# KiCad board mtr_led_system_map.kicad_pcb (continued)
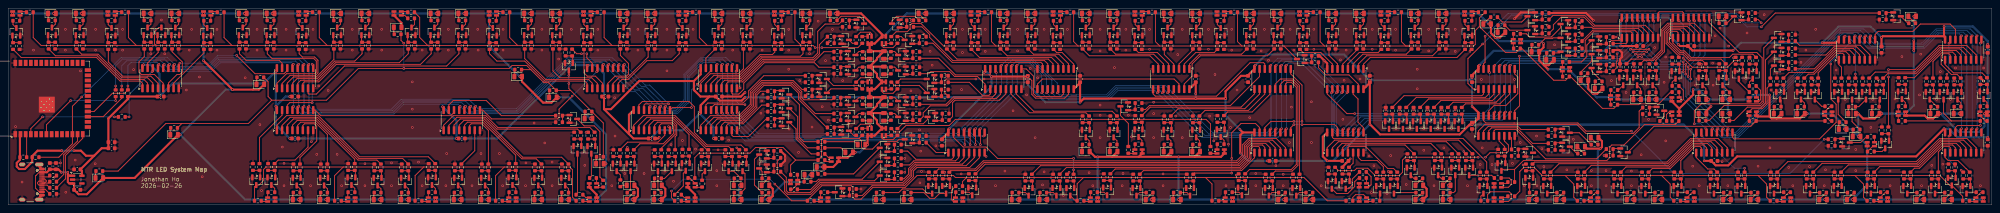
[diagram p0: board, top side]
## Placement (name value [footprint] x y rotation side) (continued)
R566  10k  [R_0603_1608Metric]  307.7 6.7 90 top
R567  100R  [R_0603_1608Metric]  302.7 6.8 270 top
R568  10k  [R_0603_1608Metric]  301.1 6.8 90 top
R569  100R  [R_0603_1608Metric]  291.5 21 270 top
R570  10k  [R_0603_1608Metric]  289.9 21 90 top
R571  100R  [R_0603_1608Metric]  297.5 21.1 270 top
R572  10k  [R_0603_1608Metric]  295.9 21.1 90 top
R573  100R  [R_0603_1608Metric]  316 6.7 270 top
R574  10k  [R_0603_1608Metric]  314.4 6.7 90 top
R575  100R  [R_0603_1608Metric]  284.5 21 270 top
R576  10k  [R_0603_1608Metric]  282.9 21 90 top
R577  100R  [R_0603_1608Metric]  277.4 21.1 270 top
R578  10k  [R_0603_1608Metric]  275.8 21.1 90 top
R579  100R  [R_0603_1608Metric]  276.6 23.4 180 top
R580  10k  [R_0603_1608Metric]  276.6 25 0 top
R581  100R  [R_0603_1608Metric]  455.4 30.3 270 top
R582  10k  [R_0603_1608Metric]  453.8 30.3 90 top
R583  100R  [R_0603_1608Metric]  460.1 18.3 270 top
R584  10k  [R_0603_1608Metric]  458.5 18.3 90 top
R585  100R  [R_0603_1608Metric]  471 30.3 270 top
R586  10k  [R_0603_1608Metric]  469.4 30.3 90 top
R587  100R  [R_0603_1608Metric]  464.2 30.4 270 top
R588  10k  [R_0603_1608Metric]  462.6 30.4 90 top
R589  100R  [R_0603_1608Metric]  458.8 30.3 270 top
R590  10k  [R_0603_1608Metric]  457.2 30.3 90 top
R591  100R  [R_0603_1608Metric]  477.8 30.3 270 top
R592  10k  [R_0603_1608Metric]  476.2 30.3 90 top
R593  100R  [R_0603_1608Metric]  484.2 30.4 270 top
R594  10k  [R_0603_1608Metric]  482.6 30.4 90 top
R595  100R  [R_0603_1608Metric]  474.4 30.3 270 top
R596  10k  [R_0603_1608Metric]  472.8 30.3 90 top
R597  100R  [R_0603_1608Metric]  436.5 36.8 180 top
R598  10k  [R_0603_1608Metric]  436.5 38.4 0 top
R599  100R  [R_0603_1608Metric]  436.5 40.2 180 top
R600  10k  [R_0603_1608Metric]  436.5 41.8 0 top
R601  100R  [R_0603_1608Metric]  439.5 30.3 270 top
R602  10k  [R_0603_1608Metric]  437.9 30.3 90 top
R603  100R  [R_0603_1608Metric]  434.4 30.3 270 top
R604  10k  [R_0603_1608Metric]  432.8 30.3 90 top
R605  100R  [R_0603_1608Metric]  436.5 33.4 180 top
R606  10k  [R_0603_1608Metric]  436.5 35 0 top
R607  100R  [R_0603_1608Metric]  442.9 30.3 270 top
R608  10k  [R_0603_1608Metric]  441.3 30.3 90 top
R609  100R  [R_0603_1608Metric]  448.6 30.3 270 top
R610  10k  [R_0603_1608Metric]  447 30.3 90 top
R611  100R  [R_0603_1608Metric]  452 30.3 270 top
R612  10k  [R_0603_1608Metric]  450.4 30.3 90 top
R613  100R  [R_0603_1608Metric]  324.7 8.4 270 top
R614  10k  [R_0603_1608Metric]  323.1 8.4 90 top
R615  100R  [R_0603_1608Metric]  368.7 13.6 0 top
R616  10k  [R_0603_1608Metric]  368.7 12 180 top
R617  100R  [R_0603_1608Metric]  377.7 15.1 0 top
R618  10k  [R_0603_1608Metric]  377.7 13.5 180 top
R619  100R  [R_0603_1608Metric]  391.9 13.7 0 top
R620  10k  [R_0603_1608Metric]  391.9 12.1 180 top
R621  100R  [R_0603_1608Metric]  366.2 12.8 270 top
R622  10k  [R_0603_1608Metric]  364.6 12.8 90 top
R623  100R  [R_0603_1608Metric]  377.7 18.5 0 top
R624  10k  [R_0603_1608Metric]  377.7 16.9 180 top
R625  100R  [R_0603_1608Metric]  400.8 23.9 0 top
R626  10k  [R_0603_1608Metric]  400.8 22.3 180 top
R627  100R  [R_0603_1608Metric]  446.2 16.1 0 top
R628  10k  [R_0603_1608Metric]  446.2 14.5 180 top
U1  -  [ESP32-S3-WROOM-1]  7 26.1 90 top
U2  AP2112K-3.3  [SOT-23-5]  16.9 6.2 0 top
U3  74HC595  [SOIC-16_3.9x9.9mm_P1.27mm]  37.3 31.1 90 top
U4  74HC595  [SOIC-16_3.9x9.9mm_P1.27mm]  70.2 31.1 90 top
U5  74HC595  [SOIC-16_3.9x9.9mm_P1.27mm]  146.1 31.1 90 top
U6  74HC595  [SOIC-16_3.9x9.9mm_P1.27mm]  173.9 31.1 90 top
U7  74HC595  [SOIC-16_3.9x9.9mm_P1.27mm]  173.9 20.8 90 top
U8  74HC595  [SOIC-16_3.9x9.9mm_P1.27mm]  157.5 20.8 90 top
U9  74HC595  [SOIC-16_3.9x9.9mm_P1.27mm]  111 20.8 90 top
U10  74HC595  [SOIC-16_3.9x9.9mm_P1.27mm]  70.2 20.8 90 top
U11  74HC595  [SOIC-16_3.9x9.9mm_P1.27mm]  478.4 15.3 90 top
U12  74HC595  [SOIC-16_3.9x9.9mm_P1.27mm]  364.2 30.9 90 top
U13  74HC595  [SOIC-16_3.9x9.9mm_P1.27mm]  417.5 15.3 90 top
U14  74HC595  [SOIC-16_3.9x9.9mm_P1.27mm]  327.2 15.3 90 top
U15  74HC595  [SOIC-16_3.9x9.9mm_P1.27mm]  309.4 15.3 90 top
U16  74HC595  [SOIC-16_3.9x9.9mm_P1.27mm]  234.5 15.3 90 top
U17  74HC595  [SOIC-16_3.9x9.9mm_P1.27mm]  411.8 43.5 90 top
U18  74HC595  [SOIC-16_3.9x9.9mm_P1.27mm]  399.3 43.5 90 top
U19  74HC595  [SOIC-16_3.9x9.9mm_P1.27mm]  327.2 30.9 270 top
U20  74HC595  [SOIC-16_3.9x9.9mm_P1.27mm]  284.6 30.9 270 top
U21  74HC595  [SOIC-16_3.9x9.9mm_P1.27mm]  256.3 30.9 270 top
U22  74HC595  [SOIC-16_3.9x9.9mm_P1.27mm]  243.5 30.9 90 top
U23  74HC595  [SOIC-16_3.9x9.9mm_P1.27mm]  309.4 30.9 90 top
U24  74HC595  [SOIC-16_3.9x9.9mm_P1.27mm]  478.4 38.1 90 top
U25  74HC595  [SOIC-16_3.9x9.9mm_P1.27mm]  452.4 38.1 90 top
U26  74HC595  [SOIC-16_3.9x9.9mm_P1.27mm]  364.2 19.4 90 top

## Library data of the parts
C1-C30 = -: Description: Unpolarized capacitor; ki_fp_filters: C_*
D_DOOR_G1 D_DOOR_Y1 D_ISL_ADM_CEN1 D_ISL_ADM_WAC1 D_ISL_CAB_TIH1 D_ISL_CAB_WAC1 D_ISL_CEN_ADM1 D_ISL_CEN_SHW1 D_ISL_CHW_HFC1 D_ISL_FOH_NOP1 D_ISL_FOH_TIH1 D_ISL_HFC_CHW1 D_ISL_HFC_SKW1 D_ISL_HKU_KET1 D_ISL_HKU_SYP1 D_ISL_KET_HKU1 D_ISL_NOP_FOH1 D_ISL_NOP_QUB1 D_ISL_QUB_NOP1 D_ISL_QUB_TAK1 D_ISL_SHW_CEN1 D_ISL_SHW_SYP1 D_ISL_SKW_HFC1 D_ISL_SKW_SWH1 D_ISL_SWH_SKW1 D_ISL_SWH_TAK1 D_ISL_SYP_HKU1 D_ISL_SYP_SHW1 D_ISL_TAK_QUB1 D_ISL_TAK_SWH1 D_ISL_TIH_CAB1 D_ISL_TIH_FOH1 D_ISL_WAC_ADM1 D_ISL_WAC_CAB1 D_KTL_CHH_DIH1 D_KTL_CHH_KOB1 D_KTL_DIH_CHH1 D_KTL_DIH_WTS1 D_KTL_HOM_WHA1 D_KTL_HOM_YMT1 D_KTL_KOB_CHH1 D_KTL_KOB_NTK1 D_KTL_KOT_LOF1 D_KTL_KOT_SKM1 D_KTL_KWT_LAT1 D_KTL_KWT_NTK1 D_KTL_LAT_KWT1 D_KTL_LAT_YAT1 D_KTL_LOF_KOT1 D_KTL_LOF_WTS1 D_KTL_MOK_PRE1 D_KTL_MOK_YMT1 D_KTL_NTK_KOB1 D_KTL_NTK_KWT1 D_KTL_PRE_MOK1 D_KTL_PRE_SKM1 D_KTL_SKM_KOT1 D_KTL_SKM_PRE1 D_KTL_TIK_YAT1 D_KTL_WHA_HOM1 D_KTL_WTS_DIH1 D_KTL_WTS_LOF1 D_KTL_YAT_LAT1 D_KTL_YAT_TIK1 D_KTL_YMT_HOM1 D_KTL_YMT_MOK1 D_TCL_HOK1 D_TCL_KOW1 D_TCL_LAK1 D_TCL_NAC1 D_TCL_OLY1 D_TCL_SUN1 D_TCL_TSY1 D_TCL_TUC1 D_TKL_HAH_POA1 D_TKL_HAH_TKO1 D_TKL_LHP_TKO1 D_TKL_NOP_QUB1 D_TKL_POA_HAH1 D_TKL_QUB_NOP1 D_TKL_QUB_YAT1 D_TKL_TIK_TKO1 D_TKL_TIK_YAT1 D_TKL_TKO_HAH1 D_TKL_TKO_LHP1 D_TKL_TKO_TIK1 D_TKL_YAT_QUB1 D_TKL_YAT_TIK1 D_TWL_ADM_CEN1 D_TWL_ADM_TST1 D_TWL_CEN_ADM1 D_TWL_CSW_LCK1 D_TWL_CSW_SSP1 D_TWL_JOR_TST1 D_TWL_JOR_YMT1 D_TWL_KWF_KWH1 D_TWL_KWF_LAK1 D_TWL_KWH_KWF1 D_TWL_KWH_TWH1 D_TWL_LAK_KWF1 D_TWL_LAK_MEF1 D_TWL_LCK_CSW1 D_TWL_LCK_MEF1 D_TWL_MEF_LAK1 D_TWL_MEF_LCK1 D_TWL_MOK_PRE1 D_TWL_MOK_YMT1 D_TWL_PRE_MOK1 D_TWL_PRE_SSP1 D_TWL_SSP_CSW1 D_TWL_SSP_PRE1 D_TWL_TST_ADM1 D_TWL_TST_JOR1 D_TWL_TSW_TWH1 D_TWL_TWH_KWH1 D_TWL_TWH_TSW1 D_TWL_YMT_JOR1 D_TWL_YMT_MOK1 = -: Description: Light emitting diode; Sim.Pins: 1=K 2=A; ki_fp_filters: LED* LED_SMD:* LED_THT:*
D_ISL_ADM1 D_ISL_CEN1 D_ISL_CHW1 D_ISL_CWB1 D_ISL_FOH1 D_ISL_HFC1 D_ISL_HKU1 D_ISL_KET1 D_ISL_NOP1 D_ISL_QUB1 D_ISL_SHW1 D_ISL_SKW1 D_ISL_SWH1 D_ISL_SYP1 D_ISL_TAK1 D_ISL_TIH1 D_ISL_WAC1 D_KTL_CHH1 D_KTL_DIH1 D_KTL_HOM1 D_KTL_KOB1 D_KTL_KOT1 D_KTL_KWT1 D_KTL_LAT1 D_KTL_LOF1 D_KTL_MOK1 D_KTL_NTK1 D_KTL_PRE1 D_KTL_SKM1 D_KTL_TIK1 D_KTL_WHA1 D_KTL_WTS1 D_KTL_YAT1 D_KTL_YMT1 D_TKL_HAH1 D_TKL_LHP1 D_TKL_NOP1 D_TKL_POA1 D_TKL_QUB1 D_TKL_TIK1 D_TKL_TKO1 D_TKL_YAT1 D_TWL_ADM1 D_TWL_CEN1 D_TWL_CSW1 D_TWL_JOR1 D_TWL_KWF1 D_TWL_KWH1 D_TWL_LAK1 D_TWL_LCK1 D_TWL_MEF1 D_TWL_MOK1 D_TWL_PRE1 D_TWL_SSP1 D_TWL_TST1 D_TWL_TSW1 D_TWL_TWH1 D_TWL_YMT1 = -: Description: Dual LED, cathodes on pins 2 and 3; ki_fp_filters: LED* LED_SMD:* LED_THT:*
J1 = -: Datasheet: https://www.usb.org/sites/default/files/documents/usb_type-c.zip; Description: USB 2.0-only 16P Type-C Receptacle connector; ki_fp_filters: USB*C*Receptacle*
Q1-Q192 = -: Datasheet: http://www.aosmd.com/pdfs/datasheet/AO3400A.pdf; Description: 30V Vds, 5.7A Id, N-Channel MOSFET, SOT-23; ki_fp_filters: SOT?23*
R1-R628 = -: Description: Resistor; ki_fp_filters: R_*
U1 = -: Datasheet: https://www.espressif.com/sites/default/files/documentation/esp32-s3-wroom-1_wroom-1u_datasheet_en.pdf; Description: RF Module, ESP32-S3 SoC, Wi-Fi 802.11b/g/n, Bluetooth, BLE, 32-bit, 3.3V, onboard antenna, SMD; ki_fp_filters: ESP32?S3?WROOM?1*
U2 = -: Datasheet: https://www.diodes.com/assets/Datasheets/AP2112.pdf; Description: 600mA low dropout linear regulator, with enable pin, 3.8V-6V input voltage range, 3.3V fixed positive output, SOT-23-5; ki_fp_filters: SOT?23?5*
U3-U26 = -: Datasheet: http://www.ti.com/lit/ds/symlink/sn74hc595.pdf; Description: 8-bit serial in/out Shift Register 3-State Outputs; ki_fp_filters: DIP*W7.62mm* SOIC*3.9x9.9mm*P1.27mm* TSSOP*4.4x5mm*P0.65mm* SOIC*5.3x10.2mm*P1.27mm* SOIC*7.5x10.3mm*P1.27mm*

## Footprints (pads in the part's own frame, mm; a bottom-side part is the same pattern mirrored in y, then rotated)
C_0603_1608Metric
  rrect 0.9x0.95 smd: 1(-0.775,0) 2(0.775,0)
ESP32-S3-WROOM-1
  rect 0.9x0.9 smd: (-2.9,-1.06) (-2.9,-2.46) (-2.9,-3.86) (-1.5,-1.06) (-1.5,-2.46) (-1.5,-3.86) (-0.1,-1.06) (-0.1,-2.46) (-0.1,-3.86)
  rect 1.5x0.9 smd: 1(-8.75,5.26) 2(-8.75,3.99) 3(-8.75,2.72) 4(-8.75,1.45) 5(-8.75,0.18) 6(-8.75,-1.09) 7(-8.75,-2.36) 8(-8.75,-3.63) 9(-8.75,-4.9) 10(-8.75,-6.17) 11(-8.75,-7.44) 12(-8.75,-8.71) 13(-8.75,-9.98) 14(-8.75,-11.25) 27(8.75,-11.25) 28(8.75,-9.98) 29(8.75,-8.71) 30(8.75,-7.44) 31(8.75,-6.17) 32(8.75,-4.9) 33(8.75,-3.63) 34(8.75,-2.36) 35(8.75,-1.09) 36(8.75,0.18) 37(8.75,1.45) 38(8.75,2.72) 39(8.75,3.99) 40(8.75,5.26)
  rect 0.9x1.5 smd: 15(-6.985,-12.5) 16(-5.715,-12.5) 17(-4.445,-12.5) 18(-3.175,-12.5) 19(-1.905,-12.5) 20(-0.635,-12.5) 21(0.635,-12.5) 22(1.905,-12.5) 23(3.175,-12.5) 24(4.445,-12.5) 25(5.715,-12.5) 26(6.985,-12.5)
  round 0.6 hole 0.2: 41(-2.9,-1.76) 41(-2.9,-3.16) 41(-2.2,-1.06) 41(-2.2,-2.46) 41(-2.2,-3.86) 41(-1.5,-1.76) 41(-1.5,-3.16) 41(-0.8,-1.06) 41(-0.8,-2.46) 41(-0.8,-3.86) 41(-0.1,-1.76) 41(-0.1,-3.16)
  rect 3.9x3.9 smd: 41(-1.5,-2.46)
LED_0805_2012Metric
  rrect 0.975x1.4 smd: 1(-0.938,0) 2(0.938,0)
LED_Kingbright_APHBM2012_2x1.25mm
  rect 0.6x1.2 smd: 1(-0.475,0.9) 2(-0.475,-0.9) 3(0.475,-0.9) 4(0.475,0.9)
R_0603_1608Metric
  rrect 0.8x0.95 smd: 1(-0.825,0) 2(0.825,0)
SOIC-16_3.9x9.9mm_P1.27mm
  rrect 1.95x0.6 smd: 1(-2.475,4.445) 2(-2.475,3.175) 3(-2.475,1.905) 4(-2.475,0.635) 5(-2.475,-0.635) 6(-2.475,-1.905) 7(-2.475,-3.175) 8(-2.475,-4.445) 9(2.475,-4.445) 10(2.475,-3.175) 11(2.475,-1.905) 12(2.475,-0.635) 13(2.475,0.635) 14(2.475,1.905) 15(2.475,3.175) 16(2.475,4.445)
SOT-23
  rrect 1.475x0.6 smd: 1(-0.938,0.95) 2(-0.938,-0.95) 3(0.938,0)
SOT-23-5
  rrect 1.325x0.6 smd: 1(-1.137,0.95) 2(-1.137,0) 3(-1.137,-0.95) 4(1.137,-0.95) 5(1.137,0.95)
USB_C_Receptacle_HCTL_HC-TYPE-C-16P-01A
  round 0.65 hole 0.65 unplated: (-2.89,2.605) (2.89,2.605)
  rrect 0.6x1.3 smd: A1(-3.2,3.745) A4(-2.4,3.745) A9(2.4,3.745) A12(3.2,3.745) B1(3.2,3.745) B4(2.4,3.745) B9(-2.4,3.745) B12(-3.2,3.745)
  rrect 0.3x1.3 smd: A5(-1.25,3.745) A6(-0.25,3.745) A7(0.25,3.745) A8(1.25,3.745) B5(1.75,3.745) B6(0.75,3.745) B7(-0.75,3.745) B8(-1.75,3.745)
  oval 1x2.1 hole 0.6x1.7: S1(-4.32,3.105) S1(4.32,3.105)
  oval 1x1.6 hole 0.6x1.2: S1(-4.32,-1.075) S1(4.32,-1.075)

## Nets
+3V3: C3.1 C4.1 C6.1 C7.1 C8.1 C9.1 C10.1 C11.1 C12.1 C13.1 C14.1 C15.1 C16.1 C17.1 C18.1 C19.1 C20.1 C21.1 C22.1 C23.1 C24.1 C25.1 C26.1 C27.1 C28.1 C29.1 C30.1 R219.1 R223.2 R229.2 U1.2 U2.5 U3.16 U4.16 U5.16 U6.16 U7.16 U8.16 U9.16 U10.16 U11.16 U12.16 U13.16 U14.16 U15.16 U16.16 U17.16 U18.16 U19.16 U20.16 U21.16 U22.16 U23.16 U24.16 U25.16 U26.16
+5V: C1.1 C2.1 C5.1 D_DOOR_G1.2 D_DOOR_Y1.2 D_ISL_ADM1.1 D_ISL_ADM1.4 D_ISL_ADM_CEN1.2 D_ISL_ADM_WAC1.2 D_ISL_CAB_TIH1.2 D_ISL_CAB_WAC1.2 D_ISL_CEN1.1 D_ISL_CEN1.4 D_ISL_CEN_ADM1.2 D_ISL_CEN_SHW1.2 D_ISL_CHW1.1 D_ISL_CHW1.4 D_ISL_CHW_HFC1.2 D_ISL_CWB1.1 D_ISL_CWB1.4 D_ISL_FOH1.1 D_ISL_FOH1.4 D_ISL_FOH_NOP1.2 D_ISL_FOH_TIH1.2 D_ISL_HFC1.1 D_ISL_HFC1.4 D_ISL_HFC_CHW1.2 D_ISL_HFC_SKW1.2 D_ISL_HKU1.1 D_ISL_HKU1.4 D_ISL_HKU_KET1.2 D_ISL_HKU_SYP1.2 D_ISL_KET1.1 D_ISL_KET1.4 D_ISL_KET_HKU1.2 D_ISL_NOP1.1 D_ISL_NOP1.4 D_ISL_NOP_FOH1.2 D_ISL_NOP_QUB1.2 D_ISL_QUB1.1 D_ISL_QUB1.4 D_ISL_QUB_NOP1.2 D_ISL_QUB_TAK1.2 D_ISL_SHW1.1 D_ISL_SHW1.4 D_ISL_SHW_CEN1.2 D_ISL_SHW_SYP1.2 D_ISL_SKW1.1 D_ISL_SKW1.4 D_ISL_SKW_HFC1.2 D_ISL_SKW_SWH1.2 D_ISL_SWH1.1 D_ISL_SWH1.4 D_ISL_SWH_SKW1.2 D_ISL_SWH_TAK1.2 D_ISL_SYP1.1 D_ISL_SYP1.4 D_ISL_SYP_HKU1.2 D_ISL_SYP_SHW1.2 D_ISL_TAK1.1 D_ISL_TAK1.4 D_ISL_TAK_QUB1.2 D_ISL_TAK_SWH1.2 D_ISL_TIH1.1 D_ISL_TIH1.4 D_ISL_TIH_CAB1.2 D_ISL_TIH_FOH1.2 D_ISL_WAC1.1 D_ISL_WAC1.4 D_ISL_WAC_ADM1.2 D_ISL_WAC_CAB1.2 D_KTL_CHH1.1 D_KTL_CHH1.4 D_KTL_CHH_DIH1.2 D_KTL_CHH_KOB1.2 D_KTL_DIH1.1 D_KTL_DIH1.4 D_KTL_DIH_CHH1.2 D_KTL_DIH_WTS1.2 D_KTL_HOM1.1 D_KTL_HOM1.4 D_KTL_HOM_WHA1.2 D_KTL_HOM_YMT1.2 D_KTL_KOB1.1 D_KTL_KOB1.4 D_KTL_KOB_CHH1.2 D_KTL_KOB_NTK1.2 D_KTL_KOT1.1 D_KTL_KOT1.4 D_KTL_KOT_LOF1.2 D_KTL_KOT_SKM1.2 D_KTL_KWT1.1 D_KTL_KWT1.4 D_KTL_KWT_LAT1.2 D_KTL_KWT_NTK1.2 D_KTL_LAT1.1 D_KTL_LAT1.4 D_KTL_LAT_KWT1.2 D_KTL_LAT_YAT1.2 D_KTL_LOF1.1 D_KTL_LOF1.4 D_KTL_LOF_KOT1.2 D_KTL_LOF_WTS1.2 D_KTL_MOK1.1 D_KTL_MOK1.4 D_KTL_MOK_PRE1.2 D_KTL_MOK_YMT1.2 D_KTL_NTK1.1 D_KTL_NTK1.4 D_KTL_NTK_KOB1.2 D_KTL_NTK_KWT1.2 D_KTL_PRE1.1 D_KTL_PRE1.4 D_KTL_PRE_MOK1.2 D_KTL_PRE_SKM1.2 D_KTL_SKM1.1 D_KTL_SKM1.4 D_KTL_SKM_KOT1.2 D_KTL_SKM_PRE1.2 D_KTL_TIK1.1 D_KTL_TIK1.4 D_KTL_TIK_YAT1.2 D_KTL_WHA1.1 D_KTL_WHA1.4 D_KTL_WHA_HOM1.2 D_KTL_WTS1.1 D_KTL_WTS1.4 D_KTL_WTS_DIH1.2 D_KTL_WTS_LOF1.2 D_KTL_YAT1.1 D_KTL_YAT1.4 D_KTL_YAT_LAT1.2 D_KTL_YAT_TIK1.2 D_KTL_YMT1.1 D_KTL_YMT1.4 D_KTL_YMT_HOM1.2 D_KTL_YMT_MOK1.2 D_TCL_HOK1.2 D_TCL_KOW1.2 D_TCL_LAK1.2 D_TCL_NAC1.2 D_TCL_OLY1.2 D_TCL_SUN1.2 D_TCL_TSY1.2 D_TCL_TUC1.2 D_TKL_HAH1.1 D_TKL_HAH1.4 D_TKL_HAH_POA1.2 D_TKL_HAH_TKO1.2 D_TKL_LHP1.1 D_TKL_LHP1.4 D_TKL_LHP_TKO1.2 D_TKL_NOP1.1 D_TKL_NOP1.4 D_TKL_NOP_QUB1.2 D_TKL_POA1.1 D_TKL_POA1.4 D_TKL_POA_HAH1.2 D_TKL_QUB1.1 D_TKL_QUB1.4 D_TKL_QUB_NOP1.2 D_TKL_QUB_YAT1.2 D_TKL_TIK1.1 D_TKL_TIK1.4 D_TKL_TIK_TKO1.2 D_TKL_TIK_YAT1.2 D_TKL_TKO1.1 D_TKL_TKO1.4 D_TKL_TKO_HAH1.2 D_TKL_TKO_LHP1.2 D_TKL_TKO_TIK1.2 D_TKL_YAT1.1 D_TKL_YAT1.4 D_TKL_YAT_QUB1.2 D_TKL_YAT_TIK1.2 D_TWL_ADM1.1 D_TWL_ADM1.4 D_TWL_ADM_CEN1.2 D_TWL_ADM_TST1.2 D_TWL_CEN1.1 D_TWL_CEN1.4 D_TWL_CEN_ADM1.2 D_TWL_CSW1.1 D_TWL_CSW1.4 D_TWL_CSW_LCK1.2 D_TWL_CSW_SSP1.2 D_TWL_JOR1.1 D_TWL_JOR1.4 D_TWL_JOR_TST1.2 D_TWL_JOR_YMT1.2 D_TWL_KWF1.1 D_TWL_KWF1.4 D_TWL_KWF_KWH1.2 D_TWL_KWF_LAK1.2 D_TWL_KWH1.1 D_TWL_KWH1.4 D_TWL_KWH_KWF1.2 D_TWL_KWH_TWH1.2 D_TWL_LAK1.1 D_TWL_LAK1.4 D_TWL_LAK_KWF1.2 D_TWL_LAK_MEF1.2 D_TWL_LCK1.1 D_TWL_LCK1.4 D_TWL_LCK_CSW1.2 D_TWL_LCK_MEF1.2 D_TWL_MEF1.1 D_TWL_MEF1.4 D_TWL_MEF_LAK1.2 D_TWL_MEF_LCK1.2 D_TWL_MOK1.1 D_TWL_MOK1.4 D_TWL_MOK_PRE1.2 D_TWL_MOK_YMT1.2 D_TWL_PRE1.1 D_TWL_PRE1.4 D_TWL_PRE_MOK1.2 D_TWL_PRE_SSP1.2 D_TWL_SSP1.1 D_TWL_SSP1.4 D_TWL_SSP_CSW1.2 D_TWL_SSP_PRE1.2 D_TWL_TST1.1 D_TWL_TST1.4 D_TWL_TST_ADM1.2 D_TWL_TST_JOR1.2 D_TWL_TSW1.1 D_TWL_TSW1.4 D_TWL_TSW_TWH1.2 D_TWL_TWH1.1 D_TWL_TWH1.4 D_TWL_TWH_KWH1.2 D_TWL_TWH_TSW1.2 D_TWL_YMT1.1 D_TWL_YMT1.4 D_TWL_YMT_JOR1.2 D_TWL_YMT_MOK1.2 J1.A4 J1.A9 J1.B4 J1.B9 U2.1 U2.3
GND: C1.2 C2.2 C3.2 C4.2 C5.2 C6.2 C7.2 C8.2 C9.2 C10.2 C11.2 C12.2 C13.2 C14.2 C15.2 C16.2 C17.2 C18.2 C19.2 C20.2 C21.2 C22.2 C23.2 C24.2 C25.2 C26.2 C27.2 C28.2 C29.2 C30.2 J1.A1 J1.A12 J1.B1 J1.B12 J1.S1 Q1.2 Q2.2 Q3.2 Q4.2 Q5.2 Q6.2 Q7.2 Q8.2 Q9.2 Q10.2 Q11.2 Q12.2 Q13.2 Q14.2 Q15.2 Q16.2 Q17.2 Q18.2 Q19.2 Q20.2 Q21.2 Q22.2 Q23.2 Q24.2 Q25.2 Q26.2 Q27.2 Q28.2 Q29.2 Q30.2 Q31.2 Q32.2 Q33.2 Q34.2 Q35.2 Q36.2 Q37.2 Q38.2 Q39.2 Q40.2 Q41.2 Q42.2 Q43.2 Q44.2 Q45.2 Q46.2 Q47.2 Q48.2 Q49.2 Q50.2 Q51.2 Q52.2 Q53.2 Q54.2 Q55.2 Q56.2 Q57.2 Q58.2 Q59.2 Q60.2 Q61.2 Q62.2 Q63.2 Q64.2 Q65.2 Q66.2 Q67.2 Q68.2 Q69.2 Q70.2 Q71.2 Q72.2 Q73.2 Q74.2 Q75.2 Q76.2 Q77.2 Q78.2 Q79.2 Q80.2 Q81.2 Q82.2 Q83.2 Q84.2 Q85.2 Q86.2 Q87.2 Q88.2 Q89.2 Q90.2 Q91.2 Q92.2 Q93.2 Q94.2 Q95.2 Q96.2 Q97.2 Q98.2 Q99.2 Q100.2 Q101.2 Q102.2 Q103.2 Q104.2 Q105.2 Q106.2 Q107.2 Q108.2 Q109.2 Q110.2 Q111.2 Q112.2 Q113.2 Q114.2 Q115.2 Q116.2 Q117.2 Q118.2 Q119.2 Q120.2 Q121.2 Q122.2 Q123.2 Q124.2 Q125.2 Q126.2 Q127.2 Q128.2 Q129.2 Q130.2 Q131.2 Q132.2 Q133.2 Q134.2 Q135.2 Q136.2 Q137.2 Q138.2 Q139.2 Q140.2 Q141.2 Q142.2 Q143.2 Q144.2 Q145.2 Q146.2 Q147.2 Q148.2 Q149.2 Q150.2 Q151.2 Q152.2 Q153.2 Q154.2 Q155.2 Q156.2 Q157.2 Q158.2 Q159.2 Q160.2 Q161.2 Q162.2 Q163.2 Q164.2 Q165.2 Q166.2 Q167.2 Q168.2 Q169.2 Q170.2 Q171.2 Q172.2 Q173.2 Q174.2 Q175.2 Q176.2 Q177.2 Q178.2 Q179.2 Q180.2 Q181.2 Q182.2 Q183.2 Q184.2 Q185.2 Q186.2 Q187.2 Q188.2 Q189.2 Q190.2 Q191.2 Q192.2 R183.2 R184.2 R246.2 R248.2 R250.2 R252.2 R254.2 R256.2 R258.2 R260.2 R262.2 R264.2 R266.2 R268.2 R270.2 R272.2 R274.2 R276.2 R278.2 R280.2 R282.2 R284.2 R286.2 R288.2 R290.2 R292.2 R294.2 R296.2 R298.2 R300.2 R302.2 R304.2 R306.2 R308.2 R310.2 R312.2 R314.2 R316.2 R318.2 R320.2 R322.2 R324.2 R326.2 R328.2 R330.2 R332.2 R334.2 R336.2 R338.2 R340.2 R342.2 R344.2 R346.2 R348.2 R350.2 R352.2 R354.2 R356.2 R358.2 R360.2 R362.2 R364.2 R366.2 R368.2 R370.2 R372.2 R374.2 R376.2 R378.2 R380.2 R382.2 R384.2 R386.2 R388.2 R390.2 R392.2 R394.2 R396.2 R398.2 R400.2 R402.2 R404.2 R406.2 R408.2 R410.2 R412.2 R414.2 R416.2 R418.2 R420.2 R422.2 R424.2 R426.2 R428.2 R430.2 R432.2 R434.2 R436.2 R438.2 R440.2 R442.2 R444.2 R446.2 R448.2 R450.2 R452.2 R454.2 R456.2 R458.2 R460.2 R462.2 R464.2 R466.2 R468.2 R470.2 R472.2 R474.2 R476.2 R478.2 R480.2 R482.2 R484.2 R486.2 R488.2 R490.2 R492.2 R494.2 R496.2 R498.2 R500.2 R502.2 R504.2 R506.2 R508.2 R510.2 R512.2 R514.2 R516.2 R518.2 R520.2 R522.2 R524.2 R526.2 R528.2 R530.2 R532.2 R534.2 R536.2 R538.2 R540.2 R542.2 R544.2 R546.2 R548.2 R550.2 R552.2 R554.2 R556.2 R558.2 R560.2 R562.2 R564.2 R566.2 R568.2 R570.2 R572.2 R574.2 R576.2 R578.2 R580.2 R582.2 R584.2 R586.2 R588.2 R590.2 R592.2 R594.2 R596.2 R598.2 R600.2 R602.2 R604.2 R606.2 R608.2 R610.2 R612.2 R614.2 R616.2 R618.2 R620.2 R622.2 R624.2 R626.2 R628.2 U1.1 U1.40 U1.41 U2.2 U3.8 U4.8 U5.8 U6.8 U7.8 U8.8 U9.8 U10.8 U11.8 U12.8 U13.8 U14.8 U15.8 U16.8 U17.8 U18.8 U19.8 U20.8 U21.8 U22.8 U23.8 U24.8 U25.8 U26.8
/DATA_1: R220.2 U3.14
/DATA_2: U21.14 U22.9
/DATA_3: U13.14 U17.9
/ISL_Y1: Q72.3 R25.1 R28.1 R114.1 R117.1 R120.1 R135.1
/ISL_Y2: Q112.3 R83.1 R108.1 R111.1 R142.1 R159.1 R210.1
/ISL_Y3: Q64.3 R70.1 R73.1 R76.1 R100.1 R103.1
/KTL_Y1: Q120.3 R238.1
/KTL_Y2: Q136.3 R16.1 R19.1 R22.1 R47.1 R50.1 R164.1 R167.1 R170.1 R213.1 R216.1 R241.1 R244.1
/KTL_Y3: Q152.3 R232.1
/KTL_Y4: Q168.3 R77.1 R80.1 R235.1
/S1/DATA_OUT: U3.9 U4.14
/S1/LED 1/IN: R259.1 U3.15
/S1/LED 2/IN: R257.1 U3.1
/S1/LED 3/IN: R255.1 U3.2
/S1/LED 4/IN: R249.1 U3.3
/S1/LED 5/IN: R251.1 U3.4
/S1/LED 6/IN: R253.1 U3.5
/S1/LED 7/IN: R245.1 U3.6
/S1/LED 8/IN: R247.1 U3.7
/S1/LED_2: Q7.3 R1.1
/S1/LED_3: Q6.3 R10.1
/S1/LED_4: Q3.3 R11.1
/S1/LED_5: Q4.3 R2.1
/S1/LED_6: Q5.3 R13.1
/S1/LED_7: Q1.3 R14.1
/S1/LED_8: Q2.3 R3.1
/S2/DATA_OUT: U4.9 U10.14
/S2/LED 1/IN: R275.1 U4.15
/S2/LED 2/IN: R273.1 U4.1
/S2/LED 3/IN: R271.1 U4.2
/S2/LED 4/IN: R265.1 U4.3
/S2/LED 5/IN: R267.1 U4.4
/S2/LED 6/IN: R269.1 U4.5
/S2/LED 7/IN: R261.1 U4.6
/S2/LED 8/IN: R263.1 U4.7
/S2/LED_1: Q16.3 R37.1
/S2/LED_2: Q15.3 R38.1
/S2/LED_3: Q14.3 R31.1
/S2/LED_4: Q11.3 R40.1
/S2/LED_5: Q12.3 R41.1
/S2/LED_6: Q13.3 R32.1
/S2/LED_7: Q9.3 R43.1
/S2/LED_8: Q10.3 R44.1
/S3/DATA_IN: U5.14 U9.9
/S3/DATA_OUT: U5.9 U8.14
/S3/LED 1/IN: R291.1 U5.15
/S3/LED 2/IN: R289.1 U5.1
/S3/LED 3/IN: R287.1 U5.2
/S3/LED 4/IN: R281.1 U5.3
/S3/LED 5/IN: R283.1 U5.4
/S3/LED 6/IN: R285.1 U5.5
/S3/LED 7/IN: R277.1 U5.6
/S3/LED 8/IN: R279.1 U5.7
/S3/LED_2: Q23.3 R121.1
/S3/LED_3: Q22.3 R129.1
/S3/LED_4: Q19.3 R130.1
/S3/LED_5: Q20.3 R122.1
/S3/LED_6: Q21.3 R132.1
/S3/LED_7: Q17.3 R133.1
/S3/LED_8: Q18.3 R123.1
/S4/DATA_IN: U6.14 U8.9
/S4/DATA_OUT: U6.9 U7.14
/S4/LED 1/IN: R307.1 U6.15
/S4/LED 2/IN: R305.1 U6.1
/S4/LED 3/IN: R303.1 U6.2
/S4/LED 4/IN: R297.1 U6.3
/S4/LED 5/IN: R299.1 U6.4
/S4/LED 6/IN: R301.1 U6.5
/S4/LED 7/IN: R293.1 U6.6
/S4/LED 8/IN: R295.1 U6.7
/S4/LED_1: Q32.3 R175.1
/S4/LED_2: Q31.3 R176.1
/S4/LED_3: Q30.3 R171.1
/S4/LED_4: Q27.3 R178.1
/S4/LED_5: Q28.3 R179.1
/S4/LED_6: Q29.3 R172.1
/S4/LED_7: Q25.3 R181.1
/S4/LED_8: Q26.3 R182.1
/S5/LED 1/IN: R323.1 U7.15
/S5/LED 2/IN: R321.1 U7.1
/S5/LED 3/IN: R319.1 U7.2
/S5/LED 4/IN: R313.1 U7.3
/S5/LED 5/IN: R315.1 U7.4
/S5/LED 6/IN: R317.1 U7.5
/S5/LED 7/IN: R309.1 U7.6
/S5/LED 8/IN: R311.1 U7.7
/S5/LED_2: Q39.3 R185.1
/S5/LED_3: Q38.3 R190.1
/S5/LED_4: Q35.3 R191.1
/S5/LED_5: Q36.3 R186.1
/S5/LED_6: Q37.3 R193.1
/S5/LED_7: Q33.3 R194.1
/S5/LED_8: Q34.3 R187.1
/S6/LED 1/IN: R339.1 U8.15
/S6/LED 2/IN: R337.1 U8.1
/S6/LED 3/IN: R335.1 U8.2
/S6/LED 4/IN: R329.1 U8.3
/S6/LED 5/IN: R331.1 U8.4
/S6/LED 6/IN: R333.1 U8.5
/S6/LED 7/IN: R325.1 U8.6
/S6/LED 8/IN: R327.1 U8.7
/S6/LED_1: Q48.3 R156.1
/S6/LED_2: Q47.3 R157.1
/S6/LED_3: Q46.3 R151.1
/S6/LED_4: Q43.3 R152.1
/S6/LED_5: Q44.3 R160.1
/S6/LED_6: Q45.3 R161.1
/S6/LED_7: Q41.3 R162.1
/S6/LED_8: Q42.3 R163.1
/S7/DATA_IN: U9.14 U10.9
/S7/LED 1/IN: R355.1 U9.15
/S7/LED 2/IN: R353.1 U9.1
/S7/LED 3/IN: R351.1 U9.2
/S7/LED 4/IN: R345.1 U9.3
/S7/LED 5/IN: R347.1 U9.4
/S7/LED 6/IN: R349.1 U9.5
/S7/LED 7/IN: R341.1 U9.6
/S7/LED 8/IN: R343.1 U9.7
/S7/LED_1: Q56.3 R91.1
/S7/LED_2: Q55.3 R99.1
/S7/LED_3: Q54.3 R92.1
/S7/LED_4: Q51.3 R101.1
/S7/LED_5: Q52.3 R102.1
/S7/LED_6: Q53.3 R93.1
/S7/LED_7: Q49.3 R104.1
/S7/LED_8: Q50.3 R105.1
/S8/LED 1/IN: R371.1 U10.15
/S8/LED 2/IN: R369.1 U10.1
/S8/LED 3/IN: R367.1 U10.2
/S8/LED 4/IN: R361.1 U10.3
/S8/LED 5/IN: R363.1 U10.4
/S8/LED 6/IN: R365.1 U10.5
/S8/LED 7/IN: R357.1 U10.6
/S8/LED 8/IN: R359.1 U10.7
/S8/LED_2: Q63.3 R61.1
/S8/LED_3: Q62.3 R71.1
/S8/LED_4: Q59.3 R72.1
/S8/LED_5: Q60.3 R62.1
/S8/LED_6: Q61.3 R74.1
/S8/LED_7: Q57.3 R75.1
/S8/LED_8: Q58.3 R63.1
/S9/DATA_OUT: U11.9
/S9/LED 1/IN: R387.1 U11.15
/S9/LED 2/IN: R385.1 U11.1
/S9/LED 3/IN: R383.1 U11.2
/S9/LED 4/IN: R377.1 U11.3
/S9/LED 5/IN: R379.1 U11.4
/S9/LED 6/IN: R381.1 U11.5
/S9/LED 7/IN: R373.1 U11.6
/S9/LED 8/IN: R375.1 U11.7
/S9/LED_2: Q71.3 R96.1
/S9/LED_3: Q70.3 R115.1
/S9/LED_4: Q67.3 R116.1
/S9/LED_5: Q68.3 R97.1
/S9/LED_6: Q69.3 R118.1
/S9/LED_7: Q65.3 R119.1
/S9/LED_8: Q66.3 R98.1
/S10/DATA_OUT: U13.9 U25.14
/S10/LED 1/IN: R419.1 U13.15
/S10/LED 2/IN: R417.1 U13.1
/S10/LED 3/IN: R415.1 U13.2
/S10/LED 4/IN: R409.1 U13.3
/S10/LED 5/IN: R411.1 U13.4
/S10/LED 6/IN: R413.1 U13.5
/S10/LED 7/IN: R405.1 U13.6
/S10/LED 8/IN: R407.1 U13.7
/S10/LED_1: Q88.3 R23.1
/S10/LED_2: Q87.3 R24.1
/S10/LED_3: Q86.3 R7.1
/S10/LED_4: Q83.3 R26.1
/S10/LED_5: Q84.3 R27.1
/S10/LED_6: Q85.3 R8.1
/S10/LED_7: Q81.3 R29.1
/S10/LED_8: Q82.3 R30.1
/S11/DATA_IN: U14.14 U15.9
/S11/DATA_OUT: U14.9 U19.14
/S11/LED 1/IN: R435.1 U14.15
/S11/LED 2/IN: R433.1 U14.1
/S11/LED 3/IN: R431.1 U14.2
/S11/LED 4/IN: R425.1 U14.3
/S11/LED 5/IN: R427.1 U14.4
/S11/LED 6/IN: R429.1 U14.5
/S11/LED 7/IN: R421.1 U14.6
/S11/LED 8/IN: R423.1 U14.7
/S11/LED_1: Q96.3 R124.1
/S11/LED_2: Q95.3 R125.1
/S11/LED_3: Q94.3 R137.1
/S11/LED_4: Q91.3 R138.1
/S11/LED_5: Q92.3 R139.1
/S11/LED_6: Q93.3 R140.1
/S11/LED_7: Q89.3 R126.1
/S11/LED_8: Q90.3 R127.1
/S12/DATA_IN: U15.14 U23.9
/S12/LED 1/IN: R451.1 U15.15
/S12/LED 2/IN: R449.1 U15.1
/S12/LED 3/IN: R447.1 U15.2
/S12/LED 4/IN: R441.1 U15.3
/S12/LED 5/IN: R443.1 U15.4
/S12/LED 6/IN: R445.1 U15.5
/S12/LED 7/IN: R437.1 U15.6
/S12/LED 8/IN: R439.1 U15.7
/S12/LED_1: Q104.3 R106.1
/S12/LED_2: Q103.3 R107.1
/S12/LED_3: Q102.3 R94.1
/S12/LED_4: Q99.3 R109.1
/S12/LED_5: Q100.3 R110.1
/S12/LED_6: Q101.3 R95.1
/S12/LED_7: Q97.3 R112.1
/S12/LED_8: Q98.3 R113.1
/S13/DATA_IN: U7.9 U16.14
/S13/DATA_OUT: U16.9 U22.14
/S13/LED 1/IN: R467.1 U16.15
/S13/LED 2/IN: R465.1 U16.1
/S13/LED 3/IN: R463.1 U16.2
/S13/LED 4/IN: R457.1 U16.3
/S13/LED 5/IN: R459.1 U16.4
/S13/LED 6/IN: R461.1 U16.5
/S13/LED 7/IN: R453.1 U16.6
/S13/LED 8/IN: R455.1 U16.7
/S13/LED_3: Q110.3 R205.1
/S13/LED_4: Q107.3 R206.1
/S13/LED_5: Q108.3 R201.1
/S13/LED_6: Q109.3 R208.1
/S13/LED_7: Q105.3 R209.1
/S13/LED_8: Q106.3 R202.1
/S14/DATA_IN: U17.14 U18.9
/S14/LED 1/IN: R483.1 U17.15
/S14/LED 2/IN: R481.1 U17.1
/S14/LED 3/IN: R479.1 U17.2
/S14/LED 4/IN: R473.1 U17.3
/S14/LED 5/IN: R475.1 U17.4
/S14/LED 6/IN: R477.1 U17.5
/S14/LED 7/IN: R469.1 U17.6
/S14/LED 8/IN: R471.1 U17.7
/S14/LED_2: Q119.3 R226.1
/S14/LED_3: Q118.3 R239.1
/S14/LED_4: Q115.3 R240.1
/S14/LED_5: Q116.3 R227.1
/S14/LED_6: Q117.3 R242.1
/S14/LED_7: Q113.3 R243.1
/S14/LED_8: Q114.3 R228.1
/S15/DATA_IN: U18.14 U26.9
/S15/LED 1/IN: R499.1 U18.15
/S15/LED 2/IN: R497.1 U18.1
/S15/LED 3/IN: R495.1 U18.2
/S15/LED 4/IN: R489.1 U18.3
/S15/LED 5/IN: R491.1 U18.4
/S15/LED 6/IN: R493.1 U18.5
/S15/LED 7/IN: R485.1 U18.6
/S15/LED 8/IN: R487.1 U18.7
/S15/LED_1: Q128.3 R211.1
/S15/LED_2: Q127.3 R212.1
/S15/LED_3: Q126.3 R203.1
/S15/LED_4: Q123.3 R214.1
/S15/LED_5: Q124.3 R215.1
/S15/LED_6: Q125.3 R204.1
/S15/LED_7: Q121.3 R217.1
/S15/LED_8: Q122.3 R218.1
/S16/DATA_OUT: U12.14 U19.9
/S16/LED 1/IN: R515.1 U19.15
/S16/LED 2/IN: R513.1 U19.1
/S16/LED 3/IN: R511.1 U19.2
/S16/LED 4/IN: R505.1 U19.3
/S16/LED 5/IN: R507.1 U19.4
/S16/LED 6/IN: R509.1 U19.5
/S16/LED 7/IN: R501.1 U19.6
/S16/LED 8/IN: R503.1 U19.7
/S16/LED_2: Q135.3 R153.1
/S16/LED_3: Q134.3 R165.1
/S16/LED_4: Q131.3 R166.1
/S16/LED_5: Q132.3 R154.1
/S16/LED_6: Q133.3 R168.1
/S16/LED_7: Q129.3 R169.1
/S16/LED_8: Q130.3 R155.1
/S17/DATA_IN: U20.14 U21.9
/S17/DATA_OUT: U20.9 U23.14
/S17/LED 1/IN: R531.1 U20.15